# Altium PCB ISL.PcbDoc
Units mm, origin at the board's own origin, x right, y up, seen from the top; angles counter-clockwise.
Board outline 60.9 x 103.83 mm, 2 copper layers (Top Layer, Bottom Layer); 77 components, 44 nets, 287 pads, 135 vias.
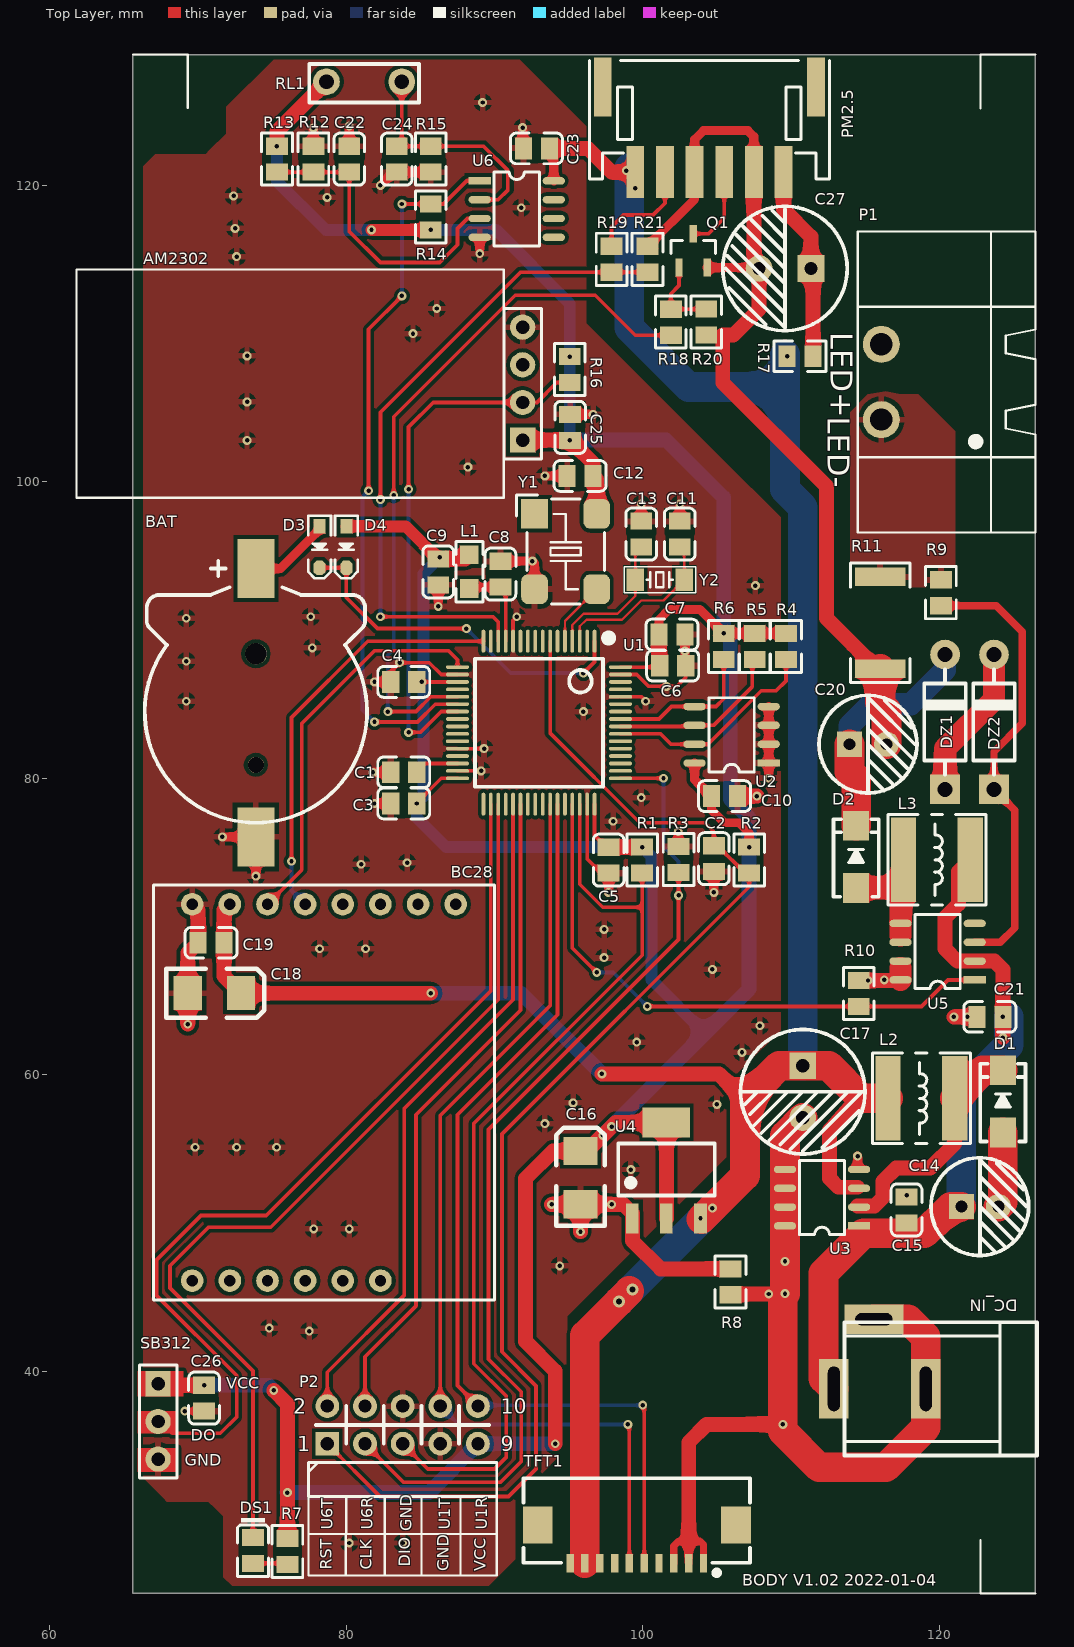
[diagram p0: Top Layer view]
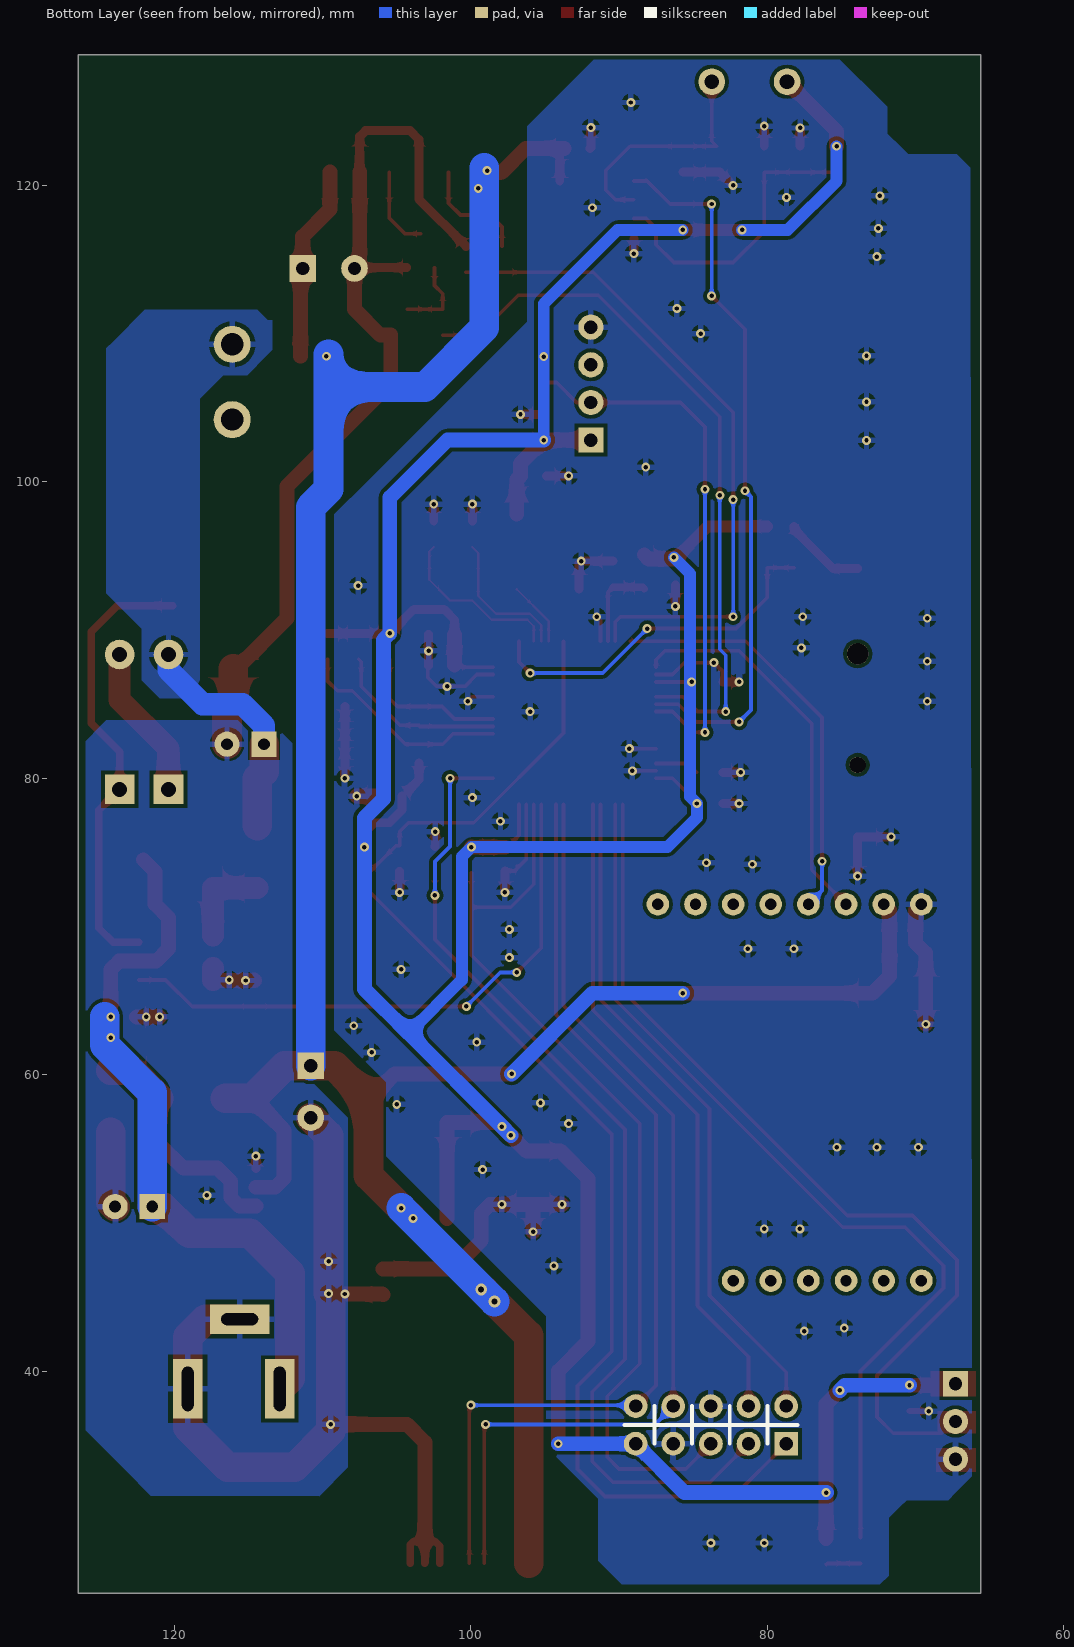
[diagram p1: Bottom Layer view, seen from below]

## Layer stack, top to bottom
Top Solder: solder mask 0.0102, Solder Resist, Dk 3.5
Top Layer: signal copper 0.0356
Dielectric1: dielectric 0.32, FR-4, Dk 4.8
Bottom Layer: signal copper 0.0356
Bottom Solder: solder mask 0.0102, Solder Resist, Dk 3.5

## Board outline
65.6,25 126.5,25 126.5,128.83 65.6,128.83

## Design rules (kind name [scope] priority, off if disabled: settings)
Clearance Clearance_1 [(INPolygon)] p1: gap=0.25 ignorepadtopadclearanceinfootprint=FALSE except(0: Arc-Hole Track-Hole SMDPad-Hole THPad-Hole Via-Hole Fill-Hole Poly-Hole Region-Hole Text-Hole)
Clearance [All] p2: gap=0.152 ignorepadtopadclearanceinfootprint=FALSE except(0: Arc-Hole Track-Hole SMDPad-Hole THPad-Hole Via-Hole Fill-Hole Poly-Hole Region-Hole Text-Hole)
ComponentClearance [All] p1 off: gap=0.254 collisioncheckmode=3 verticalgap=0.254 showdistances=FALSE
DiffPairsRouting [All] p1: maxlimit=0.152 minlimit=0.152 mostfreqgap=0.152 toplayer_minwidth=0.381 toplayer_maxwidth=0.381 toplayer_prefwidth=0.381 bottomlayer_minwidth=0.381 bottomlayer_maxwidth=0.381 bottomlayer_prefwidth=0.381 maxuncoupledlength=12.7
Height [All] p1: minheight=0 maxheight=55.4 prefheight=12.7
HoleSize [All] p1: absolutevalues=TRUE maxlimit=5 minlimit=0.025 maxpercent=80.000 minpercent=20.000
MinimumSolderMaskSliver [All] p1 off: minsoldermaskwidth=0.254
PolygonConnect [All] p1: connectstyle=Relief reliefconductorwidth=0.4 reliefentries=4 polygonreliefangle="90 Angle" airgapwidth=0.3
RoutingVias [All] p1: holewidth=0.3 width=0.6 viastyle="Through Hole" minholewidth=0.3 minwidth=0.6 maxholewidth=0.4 maxwidth=0.8
SilkToSilkClearance [All] p1 off: silktosilkclearance=0.254
SilkToSolderMaskClearance SilkscreenOverComponentPads [IsPad] p1 off: minsilkscreentomaskgap=0.254 clearancetoexposedcopper=TRUE
SolderMaskExpansion [All] p1: expansion=0.102 istentingtop=FALSE
Width [All] p1: maxlimit=2 minlimit=0.152 preferedwidth=0.254 minimp=50.000000 maximp=50.000000 favimp=50.000000
23 further rules are at their usual default settings.

## Components (designator, comment, footprint, x,y, rotation, side; value= is the part's Value field where it differs from the comment)
AM2302 "Header 4" AM2302(DHT11) 92.027,106.63 r90 top
BAT "CR1220" CR1220_B 73.9,84.5 r90 top
BC28 "BC28" BC28-安联德 89.99,44.8 r180 top locked
C1 "475" "C 0805" 83,80.4 r0 top value=104
C2 "104" "C 0805" 104.8,73.7 r90 top
C3 "104" "C 0805" 83,78.3 r0 top
C4 "104" "C 0805" 83,86.5 r0 top
C5 "104" "C 0805" 97.7,73.6 r90 top
C6 "104" "C 0805" 102.9,87.6 r180 top
C7 "105" "C 0805" 102.85,89.7 r180 top value=104
C8 "105" "C 0805" 90.4,94.65 r270 top value=104
C9 "104" "C 0805" 86.2,93.05 r90 top
C10 "104_0805" "C 0805" 104.65,78.8 r0 top value=104
C11 "100" "C 0805" 102.5,97.35 r270 top value=104
C12 "104" "C 0805" 94.9,100.4 r0 top
C13 "100" "C 0805" 99.9,95.6 r90 top value=104
C14 "107/35V" "CAP 2.5*6.3*11.2" 122.75,51.1 r0 top
C15 "105" "C 0805" 117.8,51.75 r270 top value=104
C16 "226/16V" "CD B(3528)" 95.8,53.05 r270 top
C17 "477/16V" "CAP 3.5*8*11.5" 110.8,58.85 r270 top
C18 "226/16V" "CD B(3528)" 71.1,65.5 r180 top
C19 "104" "C 0805" 71.75,68.9 r180 top
C20 "107/35V" "CAP 2.5*6.3*11.2" 115.2,82.3 r0 top
C21 "105" "C 0805" 122.55,63.9 r0 top value=104
C22 "104" "C 0805" 80.2,120.9 r90 top
C23 "104" "C 0805" 91.95,122.5 r0 top
C24 "104" "C 0805" 83.4,120.9 r90 top
C25 "104" "C 0805" 95.1,102.8 r90 top
C26 "104" "C 0805" 70.4,39.05 r270 top
C27 "477/16V" "CAP 3.5*8*11.5" 109.6,114.4 r180 top
D1 "SS24" SMA 124.3,58.2 r90 top
D2 "SS24" SMA 114.4,74.7 r90 top
D3 "SD103AWS" SOD-323 78.2,95.6 r270 top
D4 "SD103AWS" SOD-323 80,95.6 r270 top
DC_IN "POWER" DC-005 119.1,38.8 r0 top
DS1 "LED_G" "LED 0805" 73.7,27.9 r270 top
DZ1 "1N4744" DO-41 120.4,83.8 r90 top
DZ2 "1N4744" DO-41 123.7,83.8 r90 top
L1 "10uH" "L 0805" 88.3,93.943 r270 top
L2 "100uH/0.7A" NR6045 118.8,58.4 r0 top
L3 "22uH/2A" NR6045 119.85,74.5 r0 top
P1 "Header 2" KF2EDGRM-X-2P 116.1,104.2 r90 top
P2 "Header 5X2" HDR2.54-WI-2x5P 83.8,36.37 r0 top
PM2.5 "GP2Y1014AU0F" PH2.0-WS-6P 104.5,126.644 r180 top
Q1 "8050" SOT23-3N 103.4,115.6 r0 top
R1 "10k" "R 0805" 99.98,74.505 r270 top value=10K_0805
R2 "10k" "R 0805" 107.2,74.5 r270 top value=10K_0805
R3 "10k" "R 0805" 102.4,74.5 r90 top value=10K_0805
R4 "1k" "R 0805" 109.645,88.88 r90 top value=10K_0805
R5 "1k" "R 0805" 107.545,88.88 r90 top value=10K_0805
R6 "1k" "R 0805" 105.445,88.88 r90 top value=10K_0805
R7 "1k" "R 0805" 76.005,27.81 r90 top value=10K_0805
R8 "0R" "R 0805" 105.9,46 r90 top value=10K_0805
R9 "2k" "R 0805" 120.1,92.5 r90 top value=10K_0805
R10 "10k" "R 0805" 114.6,65.5 r270 top value=10K_0805
R11 "0.5R_2512" "R 2512" 116,90.5 r90 top value=10K_0805
R12 "10k" "R 0805" 77.8,121.795 r270 top value=10K_0805
R13 "20k" "R 0805" 75.3,121.755 r90 top value=10K_0805
R14 "10k" "R 0805" 85.72,117.895 r270 top value=10K_0805
R15 "6k8" "R 0805" 85.68,121.755 r90 top value=10K_0805
R16 "6k8" "R 0805" 95.1,107.6 r270 top value=10K_0805
R17 "150R" "R 0805" 110.6,108.5 r0 top value=10K_0805
R18 "1k" "R 0805" 101.92,110.795 r270 top value=10K_0805
R19 "10k" "R 0805" 97.88,115 r90 top value=10K_0805
R20 "10k" "R 0805" 104.3,110.8 r270 top value=10K_0805
R21 "10k" "R 0805" 100.3,115 r90 top value=10K_0805
RL1 "RL" 光敏电阻 81.2,127 r180 top
SB312 "Header 3" HDR2.54-LI-3P 67.3,36.6 r270 top
TFT1 "Header 10" FPC1.0-2H-WS-10P 99.6,29.6 r180 top
U1 "STM32F401RCT6" "LQFP64 10x10_L" 93.001,83.75 r180 top locked
U2 "24C16" SOP8_L 106,82.935 r180 top
U3 "XL1509" SOP8_L 112.1,51.7 r180 top
U4 "AMS1117-3.3" SOT223_N 101.6,53.6 r0 top
U5 "XL6003" SOP8_L 119.9,68.3 r180 top
U6 "LM293D" SOP8_L 91.5,118.405 r0 top
Y1 "25M_XTAL" "OSC 7050-4P" 94.8,95.3 r270 top
Y2 "32.768KHz" "OSC 3215-2P" 101.15,93.4 r0 top

## Footprints (in the part's own frame and the unit in brackets; to place one, negate y for a bottom-side part, rotate by r counter-clockwise, add the part's x,y. Pads: shape width x height; smd on the part's side, far side on the other; paste and mask are expansions set on the pad)
AM2302(DHT11) [mm] "温湿度传感器"
  rect 1.7x1.7 hole 0.9: 1(-3.81,0.127)
  round 1.7 hole 0.9: 2(-1.27,0.127) 3(1.27,0.127) 4(3.81,0.127)
  silkscreen extent -7.7,-1.14 7.7,30.23, body extent -7.61,0.06 7.49,30.16, height 8.01
BC28-安联德 [mil]
  round 60 hole 30: 1(802.76,-1051.18) 2(702.76,-1051.18) 3(602.76,-1051.18) 4(502.76,-1051.18) 5(402.76,-1051.18) 6(302.76,-1051.18) 7(202.76,-1051.18) 8(102.76,-1051.18) 9(802.76,-51.18) 10(702.76,-51.18) 11(602.76,-51.18) 12(502.76,-51.18) 13(402.76,-51.18) 14(302.76,-51.18)
  silkscreen extent 0,-1102 906,0
"C 0805" [mm] "无极性贴片电容"
  rect 1.16x1.47 smd: 1(0,0) 2(1.75,0)
  silkscreen extent -0.88,-1.04 2.63,1.04, body extent -0.1,-0.61 1.9,0.64, height 0.6
"CAP 2.5*6.3*11.2" [mm] "脚距2.5mm直径6.3mm高度11.2mm"
  rect 1.7x1.7 hole 0.8: 1(-1.25,0)
  round 1.7 hole 0.8: 2(1.25,0)
  silkscreen extent -3.3,-3.3 3.3,3.3, body extent -3.15,-3.15 3.16,3.15, height 11.23
"CAP 3.5*8*11.5" [mm] "脚距3.5mm直径8mm高度11.5mm"
  rect 1.8x1.8 hole 0.9: 1(-1.75,0)
  round 1.8 hole 0.9: 2(1.75,0)
  silkscreen extent -4.2,-4.2 4.2,4.2, body extent -4,-4 4.01,4, height 11.53
"CD B(3528)" [mil] "长3.5mm，宽2.8mm，厚1.9mm"
  rect 75x90 smd: 1(-70.87,-0.01) 2(70.86,-0.01)
  silkscreen extent -133,-65 127,65, body extent -69,-55 69,55, height 75
CR1220_B [mm] "纽扣电池座"
  round 1.1 hole 1.1: 0(-3.6,0)
  round 1.45 hole 1.45: 0(3.9,0)
  rect 4x2.5 smd: 1(9.652,0) 2(-8.458,0)
  silkscreen extent -7.5,-7.5 10.16,7.5, body extent -9.42,-7.45 10.34,7.45, height 4.05
DC-005 [mm] "5.5*2.1mm，DC30V,2.5A"
  rect 2x4 hole 0.8 slot 3 at 90 deg: 1(-6.2,0) 2(0,0)
  rect 4x2 hole 0.8 slot 2.5 at 0 deg: 3(-3.5,4.7)
  silkscreen extent -5.48,-4.5 7.5,4.5, body extent -6.55,-4.5 7.5,4.8, height 11.2
DO-41 [mm] "2.6*9.1mm(直径，脚距）"
  rect 2x2 hole 1: 1(-4.55,0)
  round 2 hole 1: 2(4.55,0)
  silkscreen extent -3.56,-1.4 3.56,1.4, body extent -4.92,-1.29 4.98,1.31, height 2.65
FPC1.0-2H-WS-10P [mm] "翻盖FPC，脚距1mm，不含脚（长14.9mm，宽5.2mm，高1.96mm）"
  rect 2x2.5 smd: 0(-6.69,0) 0(6.69,0)
  rect 0.5x1.25 smd: 1(-4.5,2.575) 2(-3.5,2.575) 3(-2.5,2.575) 4(-1.5,2.575) 5(-0.5,2.575) 6(0.5,2.575) 7(1.5,2.575) 8(2.5,2.575) 9(3.5,2.575) 10(4.5,2.575)
  silkscreen extent -7.64,-3.18 7.64,3.31, body extent -7.45,-3.15 7.45,2.85, height 2
HDR2.54-LI-3P [mm] "排针，3脚"
  rect 1.7x1.7 hole 0.9: 1(-2.54,0)
  round 1.7 hole 0.9: 2(0,0) 3(2.54,0)
  silkscreen extent -3.81,-1.27 3.81,1.27, body extent -3.81,-1.27 3.81,1.27, height 8.5
HDR2.54-WI-2x5P [mm] "双排弯脚排针，5x2脚"
  rect 1.6x1.6 hole 0.9: 1(-5.08,-1.27)
  round 1.6 hole 0.9: 2(-5.08,1.27) 3(-2.54,-1.27) 4(-2.54,1.27) 5(0,-1.27) 6(0,1.27) 7(2.54,-1.27) 8(2.54,1.27) 9(5.08,-1.27) 10(5.08,1.27)
  silkscreen extent -6.35,-4.83 6.35,1.27, body extent -6.35,-11.23 6.35,1.62, height 5.1
KF2EDGRM-X-2P [mm]
  round 2.5 hole 1.5: 1(0,0) 2(5.08,0)
  silkscreen extent -7.62,-10.4 12.7,1.6
"L 0805" [mm] "小功率贴片电感"
  rect 1.27x1.27 smd: 1(-1.143,0) 2(1.143,0)
  silkscreen extent -2.05,-0.91 2.05,0.91, body extent -1,-0.6 1,0.6, height 0.9
"LED 0805" [mm] "0805LED"
  rect 1.16x1.47 smd: A(0.875,0) K(-0.875,0)
  silkscreen extent -2.2,-1.04 1.76,1.03, body extent -1.02,-0.63 1.02,0.64, height 1.1
"LQFP64 10x10_L" [mm] "64脚，体宽10x10mm，脚距0.5mm"
  oval 0.25x1.55 smd: 1(-3.75,-5.5) 2(-3.25,-5.5) 3(-2.75,-5.5) 4(-2.25,-5.5) 5(-1.75,-5.5) 6(-1.25,-5.5) 7(-0.75,-5.5) 8(-0.25,-5.5) 9(0.25,-5.5) 10(0.75,-5.5) 11(1.25,-5.5) 12(1.75,-5.5) 13(2.25,-5.5) 14(2.75,-5.5) 15(3.25,-5.5) 16(3.75,-5.5) 33(3.75,5.5) 34(3.25,5.5) 35(2.75,5.5) 36(2.25,5.5) 37(1.75,5.5) 38(1.25,5.5) 39(0.75,5.5) 40(0.25,5.5) 41(-0.25,5.5) 42(-0.75,5.5) 43(-1.25,5.5) 44(-1.75,5.5) 45(-2.25,5.5) 46(-2.75,5.5) 47(-3.25,5.5) 48(-3.75,5.5)
  oval 1.55x0.25 smd: 17(5.5,-3.75) 18(5.5,-3.25) 19(5.5,-2.75) 20(5.5,-2.25) 21(5.5,-1.75) 22(5.5,-1.25) 23(5.5,-0.75) 24(5.5,-0.25) 25(5.5,0.25) 26(5.5,0.75) 27(5.5,1.25) 28(5.5,1.75) 29(5.5,2.25) 30(5.5,2.75) 31(5.5,3.25) 32(5.5,3.75) 49(-5.499,3.75) 50(-5.499,3.25) 51(-5.499,2.75) 52(-5.499,2.25) 53(-5.499,1.75) 54(-5.499,1.25) 55(-5.499,0.75) 56(-5.499,0.25) 57(-5.499,-0.25) 58(-5.499,-0.75) 59(-5.499,-1.25) 60(-5.499,-1.75) 61(-5.499,-2.25) 62(-5.499,-2.75) 63(-5.499,-3.25) 64(-5.499,-3.75)
  silkscreen extent -4.95,-5.96 4.32,4.32, body extent -6,-6 6,6, height 1.45
NR6045 [mm] "6.0mm*6.0mm*4.5mm(长*宽*高）"
  rect 1.7x5.7 smd: 1(-2.25,0) 2(2.25,0)
  silkscreen extent -3.3,-3.05 3.3,3.05, body extent -3,-3 3,3, height 4.6
"OSC 3215-2P" [mm] "3.2*1.5*0.6mm(长宽高)"
  rect 1.2x1.5 smd: 1(-1.65,0) 2(1.65,0)
  silkscreen extent -2.41,-0.89 2.41,0.89, body extent -1.6,-0.75 1.6,0.75, height 0.61
"OSC 7050-4P" [mm] "7mm*5mm*1.3mm(长*宽*高)"
  rect 2x1.8 smd: 1(-2.54,-2.1)
  rrect50% 2x1.8 smd: 2(2.54,-2.1) 3(2.54,2.1) 4(-2.54,2.1)
  silkscreen extent -3.81,-3.3 3.56,2.61, body extent -3.5,-2.5 3.5,2.5, height 1.36
PH2.0-WS-6P [mm] "长：16mm，宽：7.6mm，高：5.5mm"
  rect 1.2x4 smd: 0(-7.2,-0.006) 0(7.2,-0.006)
  rect 1.2x3.5 smd: 1(-5,5.744) 2(-3,5.744) 3(-1,5.744) 4(1,5.744) 5(3,5.744) 6(5,5.744)
  silkscreen extent -8.1,-1.78 8.1,6.22, body extent -8,-1.65 8,6.95, height 5.55
"R 0805" [mm] "1/8W贴片电阻"
  rect 1.16x1.47 smd: 1(-0.855,-0.02) 2(0.895,-0.02)
  silkscreen extent -1.73,-1.05 1.78,1.02, body extent -1,-0.62 1,0.63, height 0.5
"R 2512" [mm] "1W贴片电阻"
  rect 1.25x3.42 smd: 1(-3.11,-0.02) 2(3.09,-0.02)
  silkscreen extent -4.03,-2.03 4.02,1.99, body extent -3.2,-1.6 3.2,1.6, height 0.55
SMA [mm] "4.5x2.6*2.2mm（长宽高，不包括引脚）"
  rect 2x1.75 smd: 1(-2.1,0) 2(2.1,0)
  silkscreen extent -2.7,-1.52 2.54,1.52, body extent -2.53,-1.3 2.58,1.3, height 2.15
SOD-323 [mm] "1.8x1.3X0.9mm（长宽高，不包括引脚）"
  rect 1x0.8 smd: 1(-1.4,0)
  oct 1x0.8 smd: 2(1.4,0)
  silkscreen extent -2.11,-0.76 2.11,0.76, body extent -1.34,-0.63 1.31,0.67, height 1
SOP8_L [mm] "5*6*1.8mm（长宽高）"
  rect 1.5x0.5 smd: 1(-2.5,1.905)
  oval 1.5x0.5 smd: 2(-2.5,0.635) 3(-2.5,-0.635) 4(-2.5,-1.905) 5(2.5,-1.905) 6(2.5,-0.635) 7(2.5,0.635) 8(2.5,1.905)
  silkscreen extent -1.52,-2.5 1.52,2.5, body extent -3,-2.5 3,2.5, height 1.9
SOT23-3N [mm] "3x1.3x1mm(长宽高)"
  rect 0.5x1.2 smd: 1(-0.95,-1.143) 2(0.95,-1.143) 3(0,1.143)
  silkscreen extent -1.5,-0.2 1.5,0.7, body extent -1.5,-1.2 1.5,1.2, height 1.05
SOT223_N [mm] "6.4x7x1.6mm(长宽高)"
  rect 0.85x2 smd: 1(-2.3,-3.302) 2(0,-3.302) 3(2.3,-3.302)
  rect 3.2x2 smd: 4(0,3.175)
  silkscreen extent -3.25,-1.75 3.25,1.75, body extent -3.25,-3.51 3.25,3.51, height 1.65
光敏电阻 [mm] "脚距7.5mm"
  round 1.8 hole 1: 1(-2.54,0) 2(2.54,0)
  silkscreen extent -3.7,-1.2 3.7,1.4

## Part data
AM2302: "Header, 4-Pin", LatestRevisionDate=17-Jul-2002, LatestRevisionNote="Re-released for DXP Platform.", Publisher="Altium Limited"
BAT: library part BATTERY
C1 C2 C3 C4 C5 C6 C7 C8 C9 C10 C11 C12 C13 C15 C19 C21 C22 C23 C24 C25 C26: library part Cap, "Capacitor", LatestRevisionDate=17-Jul-2002, LatestRevisionNote="Re-released for DXP Platform.", PackageReference=RAD-0.3, Published=8-Jun-2000, Publisher="Altium Limited"
C14 C16 C17 C18 C20 C27: library part CAP
D1 D2 D3 D4: library part D_SCHOTTYK
DS1: library part LED, "Typical RED, GREEN, YELLOW, AMBER GaAs LED", PackageDocument=Feb-2002, LatestRevisionDate=17-Jul-2002, LatestRevisionNote="Re-released for DXP Platform.", PackageReference=3.2X1.6X1.1, Published=8-Jun-2000, Publisher="Altium Limited"
DZ1 DZ2: library part D_ZENER
L1 L2 L3: library part L
P1: "Header, 2-Pin", LatestRevisionDate=17-Jul-2002, LatestRevisionNote="Re-released for DXP Platform.", Publisher="Altium Limited"
P2: "Header, 5-Pin, Dual row", LatestRevisionDate=17-Jul-2002, LatestRevisionNote="Re-released for DXP Platform.", Publisher="Altium Limited"
Q1: library part 2N3904, "NPN General Purpose Amplifier", PackageDocument=Sep-1998, Code_JEDEC=TO-92A, ComponentLink1Description="Manufacturer Link", ComponentLink1URL=http://www.fairchildsemi.com/, ComponentLink2Description=Datasheet, ComponentLink2URL=http://www.fairchildsemi.com/ds/2N%2F2N3904.pdf, DatasheetDocument=1997, LatestRevisionDate=15-Jan-2003, LatestRevisionNote="PCB Footprint 'BCY-W3/D4.7' replaced", PackageReference=TO-92A, Published=8-Jun-2000, Publisher="Altium Limited"
R1 R2 R3 R4 R5 R6 R7 R8 R9 R10 R11 R12 R13 R14 R15 R16 R17 R18 R19 R20 R21: library part Res2, "Resistor", LatestRevisionDate=17-Jul-2002, LatestRevisionNote="Re-released for DXP Platform.", PackageReference=AXIAL-0.4, Published=8-Jun-2000, Publisher="Altium Limited"
SB312: "Header, 3-Pin", LatestRevisionDate=17-Jul-2002, LatestRevisionNote="Re-released for DXP Platform.", Publisher="Altium Limited"
TFT1: "Header, 10-Pin", LatestRevisionDate=17-Jul-2002, LatestRevisionNote="Re-released for DXP Platform.", Publisher="Altium Limited"
U1: library part STM32F401RxT6
U2: library part 24Cxx, "EEPROM"
U3: library part XL1059
U4: library part AMS1117
U6: library part OPA_8PIN
Y1: library part 8M_XTAL
Y2: library part XTAL-2, "2脚晶振", BOM名称=2脚晶振, 学习资源=www.ooocke.com, 版权归属=源创客

## Via types
v1: diameter 0.6, hole 0.3, Top Layer to Bottom Layer, tented both sides, 133 vias
v2: diameter 0.8, hole 0.4, Top Layer to Bottom Layer, tented both sides, 2 vias

## Nets (pads, with @x,y where several pads share a name; then routed paths per layer and width w, separated by ;. In a path a pad name is that pad's centre, name@x,y a point inside that pad or via, vN(x,y) a via of type N, cw(c..) or ccw(c..) an arc to the next point about the centre after c; other vN are vias at no path point)
DHT_SDA: AM2302.2 R16.2 U1.23 | length 36.6
  Top Layer w0.254: v1(84.2,83.1) 85,83.1 86.4,84.5 U1.23 ; v1(84.2,99.5) 84.2,103.7 85.86,105.36 AM2302.2 92.86,105.36 94.205,106.705 R16.2
  Bottom Layer w0.254: v1(84.2,83.1) v1(84.2,99.5)
GND_IN: C14.2 C15.1 C17.2 C20.2 C21.1 C27.2 D1.1 DC_IN.2 DC_IN.3 PM2.5.2 PM2.5.4 Q1.2 R8.1 R10.1 R11.1 R20.2 R21.2 TFT1.1 TFT1.2 TFT1.3 U3.4 U3.5 U3.6 U3.7 U3.8 U5.7 U5.8 | length 141.8
  Top Layer w0.5: TFT1.3 102.1,28.2 102.4,28.5 103.1,28.5 103.9,28.5 104.1,28.3 TFT1.1 ; TFT1.2 103.1,28.3
  Top Layer w0.6: R21.2 103.5,119.075 PM2.5.4 103.5,123.1 104.1,123.7 107.1,123.7 107.5,123.3 PM2.5.2 ; Q1.2 107.793,114.457 C27.2 ; U3.4@114.5,53.67 v1(114.5,54.5)
  Top Layer w1: 103.1,28.3 103.1,28.5 103.1,35.2 104.3,36.4 v1(109.46,36.4) ; R8.1 105.975,45.2 v1(108.5,45.2) 109.46,45.2 109.515,45.145 v1(109.6,45.23) ; PM2.5.2 107.5,114.75 C27.2@107.793,114.457 ; C27.2 107.85,111.65 106.105,109.905 105.4,109.905 105.4,106.7 112.4,99.7 112.4,90.8 115.81,87.39 R11.1 ; R10.1@114.62,66.395 R10.1 v1(115.2,66.355) 117.36,66.355 U5.8 ; v1(121,63.9) C21.1
  Top Layer w1.5: U5.8 117.4,67.2
  Top Layer w2: v1@109.46,45.2 v1(109.46,36.4) 109.46,35.94 111.9,33.5 116.4,33.5 119.1,36.2 DC_IN.2 119.1,42.3 117.9,43.5 DC_IN.3 ; v1(109.6,45.23) v1(109.6,47.4) U3.8 U3.7 U3.6 U3.5 109.6,55.9 C17.2 ; R11.1 116.02,84.98 116.45,84.55 C20.2 ; C14.2 124.3,51.4 D1.1
  other v1: 117.81,51.855 121.9,63.9 116.3,66.4
GND_MCU: AM2302.4 BAT.2 BC28.1 C1.1 C2.1 C3.1 C4.1 C5.1 C6.1 C7.1 C8.1 C9.1 C10.2 C11.1 C12.1 C13.2 C16.2 C18.2 C19.2 C22.2 C23.1 C24.1 C25.2 C26.2 P2.6 P2.7 R3.2 R8.2 R12.1 R15.1 SB312.3 U1.12 U1.18 U1.28 U1.31 U1.47 U1.60 U1.63 U2.1 U2.2 U2.3 U2.4 U4.1 U6.4 Y1.2 | length 90.8
  Top Layer w0.25: C4.1 83,87.2 v1(83.6,87.8) 85.6,87.8 86.4,87 U1.18 ; U1.31 v1(89.1,80.5) ; U1.28 v1(89.3,82) ; U1.12 91.25,90.65 v1(91.5,90.9) ; U1.47 96.25,74.55 97.05,73.75 C5.1@97.7,73.75 ; U1.60 99.9,85.5 v1(100.2,85.2) ; U1.63 99.6,87 100.4,86.2 102.3,86.2 102.9,86.8 C6.1
  Top Layer w0.4: v1(69.1,37.3) C26.2
  Top Layer w0.6: v1(71.642,76.042) BAT.2 v1(73.9,73.4) ; R12.1 v1(77.78,123.88) ; C22.2 v1(80.2,124) ; v1(81.8,80.4) C1.1 ; v1(81.9,78.3) C3.1 ; v1(81.9,86.5) C4.1 ; v1(82.3,120) 83.2,120.9 C24.1 R15.1 ; v1(86.2,91.6) C9.1 ; v1(89,115.4) U6.4@89,116.4 ; C8.1 v1(92.55,94.65) 92.7,94.5 Y1.2 ; v1(91.9,123.9) 91.9,122.55 C23.1 ; v1(93.4,100.4) C12.1 ; C25.2 v1(96.65,104.55) ; v1(97.7,72.3) C5.1@97.7,73.75 ; C13.2 v1(99.9,98.5) ; v1(102.4,76.4) 102.4,75.415 R3.2 ; C11.1 v1(102.5,98.5) ; C6.1@102.85,87.6 v1(102.85,88.6) C7.1 ; v1(104.8,72.3) C2.1 ; v1(108.5,80) U2.1 U2.2 U2.3 U2.4
  Top Layer w1: v1(69.3,63.4) C18.2 69.3,68.2 C19.2 70,71.1 BC28.1 ; v1(93.85,51.25) C16.2 ; v1(95.8,49.4) C16.2 ; R8.2 101.205,46.895 99.3,48.8 U4.1 99.3,50.648 98.698,51.25 C16.2 ; C10.2 v1(107.7,78.8)
  other v1: 80.2,28.4 83.8,28.4 77.5,42.7 74.8,42.9 94.4,47.1 77.8,49.6 80.2,49.6 97.9,51.25 99.2,53.6 69.8,55.1 72.6,55.1 75.3,55.1 93.4,56.7 105,58 95.3,58.1 106.7,61.5 99.6,62.2 107.9,63.3 104.7,67.1 97.4,67.9 78.2,68.5 81.3,68.5 97.4,69.8 81,74.2 84.1,74.3 98,77.1 99.9,78.7 96,84.5 69.2,85.2 101.6,86.2 69.2,87.9 77.7,88.8 69.2,90.8 77.6,90.9 107.6,93 88.2,101 73.3,102.8 73.3,105.4 73.3,108.5 84.5,110 86.1,111.7 72.6,115.2 72.5,117.1 91.8,118.5 78.7,119.2 72.4,119.3 89.2,125.6
LED_EN: R10.2 U1.45 U5.1 | length 39.4
  Top Layer w0.25: U1.45 95.25,68.55 v1(96.9,66.9) v1@97,66.8 ; v1(100.305,64.605) R10.2 118.805,64.605 120.595,66.395 U5.1
  Bottom Layer w0.25: v1(96.9,66.9) 98.01,66.9 v1(100.305,64.605)
LED_RUN: DS1.K U1.35 | length 63.4
  Top Layer w0.25: DS1.K 73.7,40 68.1,45.6 68.1,47.1 70.7,49.7 74.9,49.7 90.25,65.05 U1.35
LIGHT_CHECK: R14.1 U1.22 U6.1 | length 48.4
  Top Layer w0.254: v1(81.5,99.4) 81.5,110.3 v1(83.75,112.55) ; v1(81.9,83.8) 84.8,83.8 86,85 U1.22 ; v1(83.75,118.75) R14.1 86.55,118.75 88.11,120.31 U6.1
  Bottom Layer w0.254: v1(81.5,99.4) 81.1,99 81.1,84.6 v1(81.9,83.8) ; v1(83.75,112.55) v1(83.75,118.75)
NetBAT_1: BAT.1 D3.1 | length 5.6
  Top Layer w0.6: BAT.1 75.552,94.152 78.2,96.8 D3.1
NetC1_2: C1.2 U1.30 | length 3
  Top Layer w0.25: C1.2 85.35,81 U1.30
NetC20_1: C20.1 D2.2 DZ1.2 P1.2 | length 16
  Top Layer w2: C20.1 113.95,80.45 114.4,80 D2.2
  Bottom Layer w1.5: C20.1 113.95,83.55 115.4,85 118.1,85 120.4,87.3 DZ1.2
NetC22_1: C22.1 R12.2 R13.1 U6.3 | length 20.4
  Top Layer w0.254: R13.1 C22.1 80.2,116.9 82.3,114.8 86.3,114.8 87.5,116 87.5,117.1 88.17,117.77 U6.3
NetC24_2: C24.2 R15.2 RL1.1 U6.2 | length 16.1
  Top Layer w0.254: RL1.1 83.74,122.99 C24.2 R15.2 89.25,122.65 90.9,121 90.9,119.7 90.24,119.04 U6.2
NetC27_1: C27.1 PM2.5.1 R17.2 | length 13.2
  Top Layer w1: PM2.5.1 109.5,118.4 111.35,116.55 C27.1 111.495,114.255 R17.2
NetD1_2: D1.2 L2.2 U3.2 | length 16
  Top Layer w1: U3.2@114.5,51.13 115.63,51.13 116.2,51.7 116.2,52.8 117.1,53.7 119.4,53.7 121.05,55.35 L2.2
  Top Layer w2: L2.2 122.95,60.3 D1.2
NetD2_1: D2.1 L3.1 U5.5 U5.6 | length 6.2
  Top Layer w1.5: D2.1 117.4,72.6 U5.5 117.4,69.4
NetDS1_A: DS1.A R7.1 | length 2.4
  Top Layer w0.254: DS1.A 75.955,27.025 R7.1
NetDZ1_1: DZ1.1 DZ2.2 | length 10.5
  Top Layer w1.5: DZ1.1 120.4,82 123.7,85.3 DZ2.2
NetDZ2_1: DZ2.1 R9.1 U5.3 | length 30.7
  Top Layer w0.5: R9.1 123.855,91.645 125.6,89.9 125.6,83.703 123.7,81.803 DZ2.1 125.1,77.85 125.1,69.9 124.135,68.935 U5.3
NetP1_1: P1.1 R9.2 R11.2
NetPM2.5_3: PM2.5.3 Q1.3 | length 5.6
  Top Layer w0.25: Q1.3 104.443,116.743 105.5,117.8 PM2.5.3
NetPM2.5_5: PM2.5.5 R19.2 | length 7.7
  Top Layer w0.254: R19.2 97.9,117.2 98.7,118 100.7,118 101.5,118.8 PM2.5.5
NetQ1_1: Q1.1 R18.1 R20.1 | length 5.4
  Top Layer w0.25: Q1.1 102.45,113.25 101.9,112.7 R18.1 101.905,111.655 R20.1
OSC32_IN: C11.2 U1.3 Y2.2 | length 11.7
  Top Layer w0.152: U1.3 95.75,90.25 96.2,90.7 98.6,90.7 99.9,92 101.4,92 Y2.2 102.8,95.3 C11.2
OSC32_OUT: C13.1 U1.4 Y2.1 | length 9.6
  Top Layer w0.152: U1.4 95.25,90.35 96,91.1 98.3,91.1 99.5,92.3 Y2.1 99.5,95.2 C13.1
OSC_IN: U1.5 Y1.3 | length 4.4
  Top Layer w0.154: U1.5 94.75,90.61 Y1.3
PER_CHECK: SB312.2 U1.34 | length 61.6
  Top Layer w0.25: SB312.2 67.5,36.6 68.3,35.8 71.5,35.8 72.6,36.9 72.6,39.7 67.2,45.1 67.2,47.5 70.2,50.5 74.6,50.5 89.75,65.65 U1.34
PM25_LED: R18.2 U1.21 | length 48.4
  Top Layer w0.25: v1(82.8,84.5) 84.7,84.5 85.7,85.5 U1.21 ; v1(83.2,99.1) 83.2,104.4 91.4,112.6 96.8,112.6 99.5,109.9 R18.2
  Bottom Layer w0.25: v1(82.8,84.5) 82.8,88.3 83.2,88.7 v1(83.2,99.1)
PM25_VO: R19.1 R21.1 U1.14 | length 45.1
  Top Layer w0.254: v1(82.3,90.9) 89.9,90.9 90.25,90.55 U1.14 ; v1(82.3,98.8) 82.3,104.7 91.745,114.145 R19.1 R21.1
  Bottom Layer w0.254: v1(82.3,90.9) v1(82.3,98.8)
RST: C2.2 P2.1 R2.2 U1.7 | length 88.5
  Top Layer w0.25: P2.1 82.276,31.544 90.944,31.544 92.8,33.4 92.8,39 90.5,41.3 90.5,56 107.18,72.68 R2.2 106.895,73.605 105.05,75.45 C2.2 104.8,76.4 104.2,77 99.8,77 93.75,83.05 U1.7
SCL: R5.1 U1.56 U2.6 | length 11.9
  Top Layer w0.25: U1.56 103.43,83.5 U2.6 104.77,83.57 107.4,86.2 107.4,87.86 R5.1
SDA: R6.1 U1.57 U2.5 | length 10.2
  Top Layer w0.25: U1.57 101.1,84 101.94,84.84 U2.5 104.94,84.84 105.465,85.365 R6.1
SWCLK: P2.3 R3.1 U1.49 | length 69.4
  Top Layer w0.25: P2.3 83.86,32.5 90.4,32.5 91.8,33.9 91.8,38.6 89.6,40.8 89.6,56.3 102.42,69.12 v1(102.42,72.1) R3.1 ; U1.49 v1(101.4,80)
  Bottom Layer w0.25: v1(101.4,80) 101.4,75.4 102.42,74.38 v1(102.42,72.1)
SWDIO: P2.5 R1.2 U1.46 | length 63.3
  Top Layer w0.25: P2.5 85.5,33.4 90,33.4 90.8,34.2 90.8,38.3 88.6,40.5 88.6,56.7 99.96,68.06 99.96,71.3 ; U1.46 95.75,72.85 97.3,71.3 99.96,71.3 ; R1.2 99.96,71.3
UART1_RX: P2.10 TFT1.5 U1.43 | length 65.8
  Top Layer w0.25: P2.10 87.5,39.02 87.5,57.3 94.25,64.05 U1.43 ; v1(100,37.7) 100.1,37.6 TFT1.5
  Bottom Layer w0.25: P2.10 88.94,37.7 v1(100,37.7)
UART1_TX: P2.8 TFT1.6 U1.42 | length 66.3
  Top Layer w0.25: P2.8 86.34,57.24 93.75,64.65 U1.42 ; v1(99,36.4) 99.1,36.3 TFT1.6
  Bottom Layer w0.25: P2.8 87.58,36.4 v1(99,36.4)
UART2_RX: BC28.3 U1.17 | length 26.4
  Top Layer w0.25: BC28.3 77,73.82 77,83.7 81.9,88.6 86.9,88.6 87.501,87.999 U1.17
UART2_TX: BC28.4 U1.16 | length 28.1
  Top Layer w0.25: v1(76.3,74.4) 76.3,84.1 81.45,89.25 U1.16
  Bottom Layer w0.25: v1(76.3,74.4) 76.3,72.42 BC28.4
UART6_RX: P2.4 U1.38 | length 45
  Top Layer w0.25: P2.4 81.26,40.96 84.7,44.4 84.7,57.3 91.75,64.35 U1.38
UART6_TX: P2.2 U1.37 | length 45.8
  Top Layer w0.25: P2.2 78.72,39.92 83.9,45.1 83.9,57.7 91.25,65.05 U1.37
VBAT: D3.2 D4.2 U1.1 | length 24.4
  Top Layer w0.25: D3.2 D4.2 80,92.2 82.1,90.1 v1(88.1,90.1) ; v1(96,87.1) 96.75,87.85 U1.1
  Bottom Layer w0.25: v1(88.1,90.1) 91.1,87.1 v1(96,87.1)
VCC_3.3V: AM2302.1 C3.2 C4.2 C5.2 C6.2 C7.2 C9.2 C10.1 C12.2 C16.1 C25.1 C26.1 D4.1 L1.1 P2.9 R1.1 R2.1 R4.2 R5.2 R6.2 R7.2 R13.2 R14.2 R16.1 RL1.2 SB312.1 U1.19 U1.32 U1.48 U1.64 U2.8 U4.2 U4.4 Y1.4 | length 275.2
  Top Layer w0.25: v1(84.75,78.3) 84.75,78.35 86.4,80 U1.32 ; v1(85.1,86.5) U1.19 ; U1.48 96.75,76.15 97.4,75.5 C5.2@97.7,75.5 ; U1.64 101.05,87.5 C6.2
  Top Layer w0.6: C7.2 101.1,90.7 101.8,91.4 103.84,91.4 v1(105.465,89.775) R5.2 R4.2 ; U2.8 103.5,79.9 C10.1@104.25,79.15 ; C10.1 104.65,77.85 105.5,77 106.5,77 107.18,76.32 v1(107.18,75.355)
  Top Layer w0.8: D4.1 84,97 C9.2 ; v1(81.7,117) v1(85.7,117)
  Top Layer w1: SB312.1 67.39,39.05 v1(70.4,39.05) ; v1(75.1,38.7) 76.025,37.775 v1(76.025,31.8) R7.2 ; v1(75.32,122.65) 75.32,123.66 RL1.2 ; C9.2 88.014,94.8 L1.1 ; AM2302.1 v1(95.08,102.82) C25.1 96.65,101.25 C12.2 96.9,100.15 Y1.4 ; v1(94.1,35.1) 94.1,40 92.1,42 92.1,53 93.95,54.85 C16.1 96.25,54.85 v1(97.3,55.9) v1(97.9,56.5) 98.175,56.775 U4.4 U4.2 ; C5.2 99.95,75.35 v1(99.96,75.36) ; C6.2@101.1,87.65 C7.2
  Bottom Layer w0.8: v1(75.32,122.65) 75.32,120.3 78.62,117 v1(81.7,117) ; v1(85.7,117) 90.1,117 95.08,112.02 v1(95.08,108.455) v1(95.08,102.82) ; v1(86.3,94.9) 85.2,93.8 85.2,78.75 v1(84.75,78.3) 84.75,77.35 86.74,75.36 v1(99.96,75.36) 100.6,74.72 100.6,66.4 104.2,62.8
  Bottom Layer w1: v1(70.4,39.05) 74.75,39.05 v1(75.1,38.7) ; v1@76,31.8 v1(76.025,31.8) 85.58,31.8 P2.9 v1(94.1,35.1) ; v1(95.08,102.82) 101.58,102.82 105.465,98.935 v1(105.465,89.775) 105.9,89.34 105.9,78.6 107.18,77.32 v1(107.18,75.355) 107.18,65.78 104.2,62.8 v1(97.9,56.5) v1(97.3,55.9)
VCC_5V: BC28.2 C17.1 C18.1 C19.1 C23.2 L2.1 PM2.5.6 R17.1 TFT1.8 TFT1.9 TFT1.10 U3.3 U4.3 U6.8 | length 181.6
  Top Layer w0.6: C23.2 94,122.2 U6.8
  Top Layer w1: BC28.2 71.75,71.11 C19.1 71.75,66.65 C18.1 v1(85.7,65.5) ; C23.2 96.3,122.5 97.9,120.9 PM2.5.6 ; v1(97.25,60.05) 105.15,60.05 106.9,58.3 ; U3.3@114.5,52.4 113.2,52.4 112.6,53 112.6,56.25 114.75,58.4
  Top Layer w2: TFT1.9 96.1,42.4 v2(98.4,44.7) v2@99.1,45.4 ; U4.3@103.95,50.25 v1(104.7,51) 106.9,53.2 106.9,58.3 109.2,60.6 C17.1 112.55,60.6 114.75,58.4 L2.1
  Bottom Layer w1: v1(85.7,65.5) 91.8,65.5 v1(97.25,60.05)
  Bottom Layer w2: v2(98.4,44.7) v1(104.7,51) ; v1@99.1,121.2 99.1,110.4 103.1,106.4 109.6,106.4 ; v1@109.6,108.6 109.6,106.4 ; C17.1 110.8,98.3 109.6,99.5 109.6,106.4
  other v1: 103.9,50.298 109.745,108.48 99.5,119.8 98.9,121
  other v2: 99.3,45.5
VCC_12V: C14.1 C15.2 C21.2 DC_IN.1 L3.2 U3.1 U5.2 | length 49.2
  Top Layer w1: L3.2 121.3,73.7 121.3,71.5 120.4,70.6 120.4,68.5 121.235,67.665 U5.2 123.735,67.665 124.3,67.1 v1(124.3,63.9) v1(124.3,62.5)
  Top Layer w2: DC_IN.1 112.2,39.5 112.2,46.6 114.9,49.3 119,49.3 120.8,51.1 C14.1
  Bottom Layer w2: C14.1 121.5,58.8 124.7,62 124.7,63.9
VDDA: C8.2 L1.2 U1.13 | length 5.9
  Top Layer w0.25: C8.2 90.75,92.55 U1.13
  Top Layer w0.508: L1.2 88.4,92.9 C8.2
WP: R4.1 U1.55 U2.7 | length 14.7
  Top Layer w0.25: U1.55 101.2,83 101.9,82.3 U2.7 104.4,82.3 108,85.9 109,85.9 109.665,86.565 R4.1
pads on no net: AM2302.3 BAT.0 BC28.5 BC28.6 BC28.7 BC28.8 BC28.9 BC28.10 BC28.11 BC28.12 BC28.13 BC28.14 PM2.5.0 TFT1.0 TFT1.4 TFT1.7 U1.2 U1.6 U1.8 U1.9 U1.10 U1.11 U1.15 U1.20 U1.24 U1.25 U1.26 U1.27 U1.29 U1.33 U1.36 U1.39 U1.40 U1.41 U1.44 U1.50 U1.51 U1.52 U1.53 U1.54 U1.58 U1.59 U1.61 U1.62 U5.4 U6.5 U6.6 U6.7 Y1.1

## Polygon pours and split planes (outlines as drawn)
GND_MCU on Top Layer "Top Layer-No Net" (solid, pour order 38): 75.1,128.5 71.9,125.3 71.9,123.646 71.9,123.5 70.8,122.4 70.5,122.1 67.5,122.1 67.1,122.1 66.3,121.3 66.3,119.972 66.3,32.8 67.678,31.422 67.9,31.2 69.8,31.2 70.7,31.2 71.2,30.7 71.7,30.2 71.7,27.9 71.7,26.1 72.1,25.7 72.3,25.5 74.8,25.5 89.6,25.5 90.9,26.8 91.4,27.3 91.4,29.4 91.4,31.3 93.4,33.3 94.9,34.8 94.9,37.5 94.9,43.7 96.416,45.216 105.7,54.5 105.7,59.8 106.1,59.8 106.9,60.6 109.3,63 109.3,79 109.3,97.6 105.3,101.6 96.2,110.7 96.2,122 96.2,124 91.7,128.5
NetP1_1 on Top Layer "Top Layer-No Net" (solid, remove dead copper, pour order 16): 114,92.6 114,104.7 115.1,105.8 115.2,105.9 116.4,106.1 117.4,105.9 118.6,105.9 119.9,104.6 121.1,103.4 121.1,93.6 121.1,93.3 120.8,93 120.7,92.9 118.7,92.9 115.4,92.9 114.9,92.4
GND_MCU on Bottom Layer "Top Layer-No Net" (solid, pour order 36): 66.2,41.1 66.2,32.9 67.3,31.8 67.8,31.3 69.5,31.3 70.6,31.3 71.1,30.8 71.8,30.1 71.8,28.3 71.8,26.2 72.2,25.8 72.4,25.6 75.9,25.6 89.8,25.6 90.6,26.4 91.4,27.2 91.4,30.8 91.4,31.4 92.1,32.1 94.9,34.9 94.9,37.4 94.9,43.7 97.7,46.5 105.7,54.5 105.7,58.4 105.7,59.5 108.1,61.9 109.2,63 109.2,64.4 109.2,97.8 107,100 96.2,110.8 96.2,112.7 96.2,124 94.4,125.8 91.7,128.5 87.1,128.5 75.1,128.5 72.3,125.7 71.9,125.3 71.9,123.6 71.9,123.5 71,122.6 70.5,122.1 68.1,122.1 67.2,122.1 66.6,121.5 66.3,121.2 66.3,120.3
GND_IN on Bottom Layer "Top Layer-No Net" (solid, pour order 30): 110.3,31.6 121.6,31.6 123.3,33.3 126,36 126,51.8 126,82.5 125,83.5 124.6,83.9 119.7,83.9 113.6,83.9 112.9,83.2 112.05,82.35 112.05,82.3 112.05,60.85 110.4,59.2 108.3,57.1 108.3,55.9 108.3,33.5 110.3,31.5
NetC20_1 on Bottom Layer "Top Layer-No Net" (solid, remove dead copper, pour order 18): 118.3,86.6 118.3,105.6 117,106.9 116.7,107.2 115.4,107.2 115.1,107.2 113.8,108.5 113.4,108.9 113.4,110.9 113.7,110.9 114.3,111.5 114.4,111.6 116.9,111.6 122,111.6 124.1,109.5 124.6,109 124.6,93.2 124.6,92.5 122.8,90.7 122.2,90.1 122.2,89.1 122.2,86.6 121.5,85.9 121,85.4 118.9,85.4

## Other copper
Top Layer:
  rectangle net VCC_3.3V: 65.9,38.3 69,40
  rectangle net PER_CHECK: 65.9,35.8 68.5,37.3
  rectangle net GND_MCU: 65.9,33.2 68.6,34.8

## Silkscreen, mask and mechanical layers (free items; w line width, h text height)
Top Overlay:
  lines w0.15: 65.6,128.83 69.3,128.83 69.3,125.23 ; 77.45,31.544 77.45,29 ; 79.99,31.565 79.99,29 ; 82.6,31.544 82.6,29 ; 85.07,31.565 85.07,29 ; 87.7,31.544 87.7,29 ; 90.15,31.544 90.15,29 ; 122.8,28.6 122.8,25 126.5,25 ; 122.8,125.2 122.8,128.83 126.5,128.83 ; 77.45,29 79.99,29 ; 77.45,29 77.45,26.2 79.966,26.2 ; 79.966,26.2 79.966,29 79.99,29 ; 79.966,26.2 82.6,26.2 ; 79.99,29 82.6,29 ; 82.6,26.2 82.6,29 ; 82.6,26.2 85.07,26.2 ; 82.6,29 85.07,29 ; 85.07,26.2 85.07,29 ; 85.07,26.2 87.7,26.2 ; 85.07,29 87.7,29 ; 87.7,26.2 87.7,29 ; 87.7,26.2 90.15,26.2 90.15,29 ; 87.7,29 90.15,29
  text "LED+" at 112.7,110.1 h1.5 r270
  text "LED-" at 112.5,104.4 h1.5 r270
  text "VCC" at 71.9,38.8 h0.8
  text "DO" at 69.5,35.3 h0.8
  text "GND" at 69.1,33.6 h0.8
  text "U6T" at 79.1,29.3 h0.8 r90
  text "U6R" at 81.8,29.3 h0.8 r90
  text "U1T" at 87,29.3 h0.8 r90
  text "U1R" at 89.5,29.3 h0.8 r90
  text "GND" at 84.4,29.2 h0.8 r90
  text "DIO" at 84.3,26.8 h0.8 r90
  text "RST" at 79,26.6 h0.8 r90
  text "CLK" at 81.7,26.6 h0.8 r90
  text "GND" at 86.9,26.5 h0.8 r90
  text "VCC" at 89.4,26.5 h0.8 r90
  text "BODY V1.02 2022-01-04" at 106.7,25.5 h0.8
Top Solder:
  rectangle: 65.9,38.3 69,40
  rectangle: 65.9,35.8 68.5,37.3
  rectangle: 65.9,33.2 68.6,34.8
Mechanical 1:
  circle w0.154: c69.3,28.6 r1.75
  circle w0.154: c122.8,28.6 r1.75
  circle w0.154: c122.8,125.2 r1.75
  circle w0.154: c69.3,125.23 r1.75
  lines w0.15: 65.6,25 126.5,25 126.5,128.83 65.6,128.83 65.6,25

## Text inside footprints (layer, text, board x,y; h text height)
P2: Top Overlay "10" at 90.404,37.132 h1.02; Top Overlay "9" at 90.404,34.592 h1.02; Top Overlay "1" at 76.688,34.592 h1.02; Top Overlay "2" at 76.434,37.132 h1.02